# KiCad board PC110.kicad_pcb (continued)
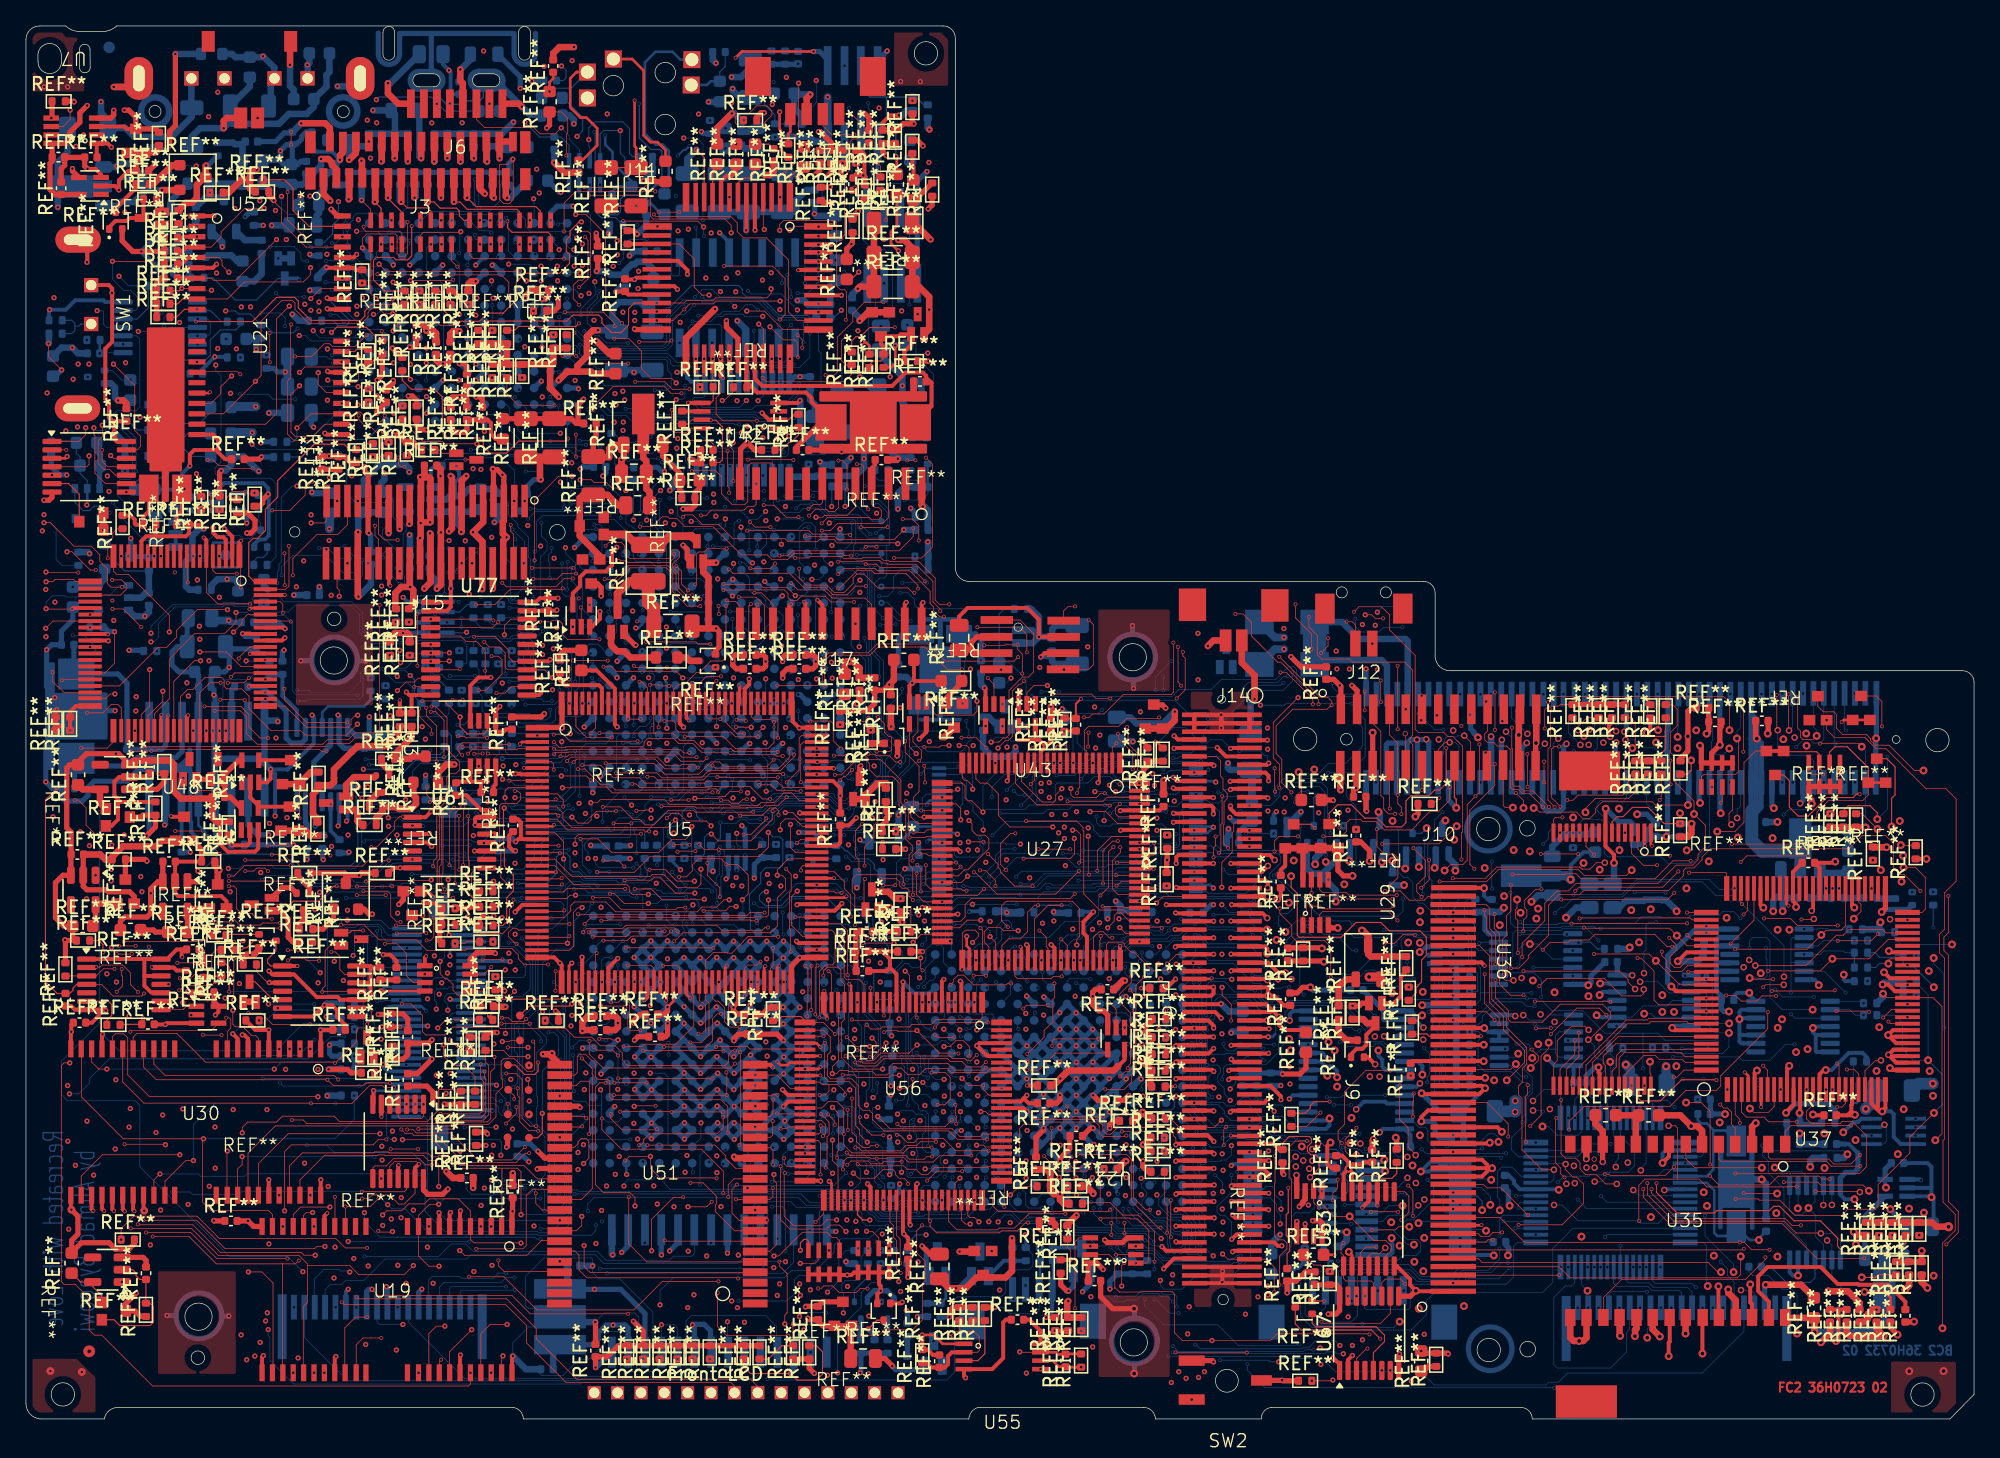
[diagram p0: board, top side]
## Routing (per net, layer and track width the routed paths; a pad name or vN(x,y) marks a point on that pad's centre or on a via; arc(x,y) is an arc through that point) (continued)
FDC_DSKCHG#: length 68.9
  FC2 w0.05: v2(77.75,51.8) 77.45,51.8 77.17,51.52 U27.15
  FC2 w0.2: v2(85.95,52.35) 86.37,51.93 REF**#301.2
  FC1 w0.05: v1(100.97,57.8) 99.57,57.8 99.26,58.11 89.03,58.11 86.39,55.47 86.39,52.79 v2(85.95,52.35) 85.53,52.77 84.77,52.77 84.54,52.54 83.73,52.54 83.09,53.18 82.51,53.18 81.89,52.56 81.33,52.56 80.09,51.32 78.23,51.32 v2(77.75,51.8)
  IC1 w0.05: v1(100.97,57.8) 101.62,57.15 101.62,56.3 102.47,55.45 127.07,55.45 128.65,53.87 v3(128.65,53.07)
  BC1 w0.05: v11(133.68,55.86) 133.68,54.5 132.92,53.74 129.32,53.74 v3(128.65,53.07)
FDC_DSR1B: length 122.8
  FC2 w0.05: v2(108.67,54.22) 108.67,54.58 J10.7 ; U27.78 87.42,37.9 v2(87.49,37.83) ; v2(91.63,44.89) 91.63,44.17 91.47,44.01 v2(91.47,43.28) ; v2(96.21,48.35) 96.18,48.38 v2(96.18,50.15) ; v2(148.07,40.31) 148.07,37.47 147.73,37.13 147.73,36.09 148.07,35.75 148.07,16.76 148.83,16 148.83,14.36 v2(147.92,13.45)
  FC1 w0.05: v2(96.21,48.35) 94.48,48.35 93.84,47.71 93.84,45.85 92.88,44.89 v2(91.63,44.89) ; v2(96.18,50.15) 96.18,53.79 97.56,55.17 98.22,55.17 98.68,55.63 99.93,55.63 100.15,55.41 103.6,55.41 104.98,54.03 107,54.03 107.22,54.25 108.64,54.25 v2(108.67,54.22) 108.88,54.01 112.58,54.01 113.25,54.68 116.26,54.68 116.88,54.06 118.01,54.06 118.37,54.42 139.81,54.42 142.47,51.76 142.47,50.13 143.07,49.53 143.07,45.49 143.8,44.76 146,44.76 148.07,42.69 v2(148.07,40.31) ; v2(91.47,43.28) 90.94,43.28 90.63,42.97 90.63,38.66 89.21,37.24 88.08,37.24 v2(87.49,37.83) ; v2(147.92,13.45) 147.9,13.43 144.51,13.43 v2(143.78,14.17)
FDC_DSR2#: length 71.9
  FC2 w0.05: v2(84.03,42.87) 84.06,42.9 U27.88 ; v1(80.62,45.37) 80.9,45.37 81.23,45.04 81.23,42.99 v2(81.11,42.87)
  FC1 w0.05: v2(84.03,42.87) v2(81.11,42.87)
  BC1 w0.05: v11(82.46,46.43) 82.25,46.43 82.12,46.3 81.55,46.3 v1(80.62,45.37) ; v11(88.58,45.08) 88.96,45.46 90.59,45.46 91.22,44.83 93.09,44.83 93.37,45.11 v11(93.98,45.11) ; v11(96.1,45.11) 98.49,45.11 99.43,46.05 103.79,46.05 104.82,45.02 105.78,45.02 107.22,43.58 109.9,43.58 111.68,41.8 114.23,41.8 115.23,42.8 115.23,43.99 115.55,44.31 116.86,44.31 v11(116.86,44.31)
  BC2 w0.05: v11(93.98,45.11) v11(96.1,45.11) ; v11(88.58,45.08) 88.24,45.42 87.95,45.42 87.52,45.85 83.68,45.85 83.52,45.69 82.73,45.69 82.46,45.96 v11(82.46,46.43) ; v11(116.86,44.31) 117.28,44.72 117.28,45.22 117.72,45.66 119.4,45.66 119.92,46.18 121.34,46.18 121.56,45.96 121.56,43.61 121.85,43.32 125.96,43.32 126.49,42.79 128.31,42.79 129.72,44.2 129.72,44.71 129.68,44.75 J8.84
FDC_DTR1#: length 100.7
  FC2 w0.05: v2(82.93,39.5) 84.53,39.5 84.63,39.4 U27.81
  FC2 w0.5: 146.02,11.13 146.02,10.54 v3(146.46,10.1)
  FC1 w0.05: v1(82.69,38.24) 82.69,38.77 82.93,39.01 v2(82.93,39.5)
  IC3 w0.05: v1(82.69,38.24) 82.69,38.72 83.42,39.45 84.61,39.45 85.47,40.31 94.62,40.31 95.07,39.86 96,39.86 96.71,39.15 96.74,39.15 96.87,39.02 98.4,39.02 99.44,37.98 100.26,37.98 101,37.24 104.29,37.24 105.18,38.13 106.22,38.13 106.88,38.79 109.33,38.79 111.99,36.13 120.46,36.13 122.6,38.27 130.49,38.27 130.5,38.26 130.56,38.26 130.92,38.62 v3(130.99,38.62)
  BC1 w0.05: v3(130.99,38.62) 134.49,35.12 135.55,35.12 136.27,34.4 136.27,30.39 135.79,29.91 135.79,28.1 136.05,27.84 ; v11(140.95,9.01) 145.37,9.01 v3(146.46,10.1) ; v5(138.73,13.76) 138.73,15.28 137.94,16.07 137.94,19.64 135.7,21.88 135.7,22.48 136.1,22.88 136.1,24.28 136.99,25.17 136.99,26.21 136.34,26.86 136.34,27.55 136.05,27.84 ; 136.05,27.84 136.06,27.83
  BC2 w0.05: v5(138.73,13.76) 139.1,13.39 REF**#859.9 139.1,10.86 v11(140.95,9.01)
FDC_DTR2#: length 52.2
  FC1 w0.05: v3(127.22,52.56) 127.15,52.63 125.29,52.63 124.75,52.09 124.75,51.54 124.31,51.1 121.89,51.1 120.82,50.03 109.43,50.03 109.04,49.64 100.66,49.64 100.37,49.35 97.13,49.35 96.64,49.84 91,49.84 90.66,50.18 86.46,50.18 86.33,50.05 86.33,48.58 86.24,48.49 86.24,44.87 v2(85.77,44.4)
  BC2 w0.05: v3(127.22,52.56) 127.22,53.2 127.28,53.26 J8.20
FDC_ERROR#: length 61.4
  FC2 w0.05: U27.73 83.22,36.56 83.41,36.75 84.48,36.75 84.62,36.61 84.62,36.47 85.11,35.98 85.33,35.98 86.73,34.58 88.01,34.58 v2(88.05,34.54)
  FC1 w0.05: v2(124.83,49.45) 123.71,48.33 123.71,48.04 v3(122.7,47.03) 121.64,45.97 118.95,45.97 118.67,46.25 118.67,47.17 118.3,47.54 109.5,47.54 109.31,47.35 104.89,47.35 104.69,47.15 104.69,46.62 103.98,45.91 100.81,45.91 100.63,45.73 100.63,42.58 100.03,41.98 100.03,37.75 97.49,35.21 94.16,35.21 93.13,36.24 90.91,36.24 90.24,35.57 89.63,35.57 88.98,34.92 88.98,34.89 88.62,34.54 v2(88.05,34.54)
  BC1 w0.05: v11(124.03,49.06) 123.26,49.06 122.7,48.5 v3(122.7,47.03)
  BC2 w0.05: 124.03,49.88 v11(124.03,49.06)
FDC_FDRQ: length 34.5
  FC2 w0.05: 55.86,55.15 55.86,54.13 56.09,53.9 57.27,53.9 57.38,54.01 57.81,54.01 57.92,53.9 v2(57.92,52.49) ; v2(68.31,40.4) 68.31,42.42 68.02,42.71 68.02,43.47 68.27,43.72 68.27,44.18 67.77,44.68 67.77,46.75 67.25,47.27 67.25,49.02 66.74,49.53 65.48,49.53 64.96,50.05 64.95,50.05 64.95,50.52 64.65,50.82 64,50.82 62.82,49.64 v2(62.3,49.64) ; 70.62,36.85 70.65,36.82 v2(71.18,36.82) 70.59,36.82 U27.50
  FC1 w0.05: v2(71.18,36.82) 71.18,40.09 70.86,40.41 69.56,40.41 69.42,40.27 68.76,40.27 68.63,40.4 v2(68.31,40.4) ; v2(62.3,49.64) 61.85,49.64 61.23,50.26 61.23,51.93 60.67,52.49 v2(57.92,52.49)
FDC_FINTR: length 12.9
  FC2 w0.05: v2(71.64,42.88) 71.61,42.85 U27.38 ; v2(66.01,41.12) 66.02,41.13 v2(66.96,41.13)
  FC2 w0.2: v2(63.2,40.28) 63.09,40.17 U5.82
  FC1 w0.05: v2(71.64,42.88) 71.3,42.88 69.98,41.56 67.39,41.56 v2(66.96,41.13) ; v2(63.2,40.28) 64.27,40.28 65.11,41.12 v2(66.01,41.12)
FDC_HDCS0#: length 98.1
  FC2 w0.05: U27.23 73.17,49.33 73.5,49 74.07,49 74.89,48.18 74.89,46.52 75.79,45.62 v1(79.09,45.62)
  IC1 w0.05: v3(142.75,30.19) 141.02,30.19 138.53,32.68 137.83,32.68 136.75,33.76 136.75,34.52 129.88,41.39 126.16,41.39 125.13,40.36 115.71,40.36 115.36,40.02 115.36,39.81 115.09,39.53 114.58,39.53 114.35,39.76 114.35,40.77 113.57,41.56 113.17,41.56 113.16,41.56 111.97,41.56 110.51,43.02 106.16,43.02 105.47,42.33 100.8,42.33 100.55,42.08 98.07,42.08 97.81,42.34 97.09,42.34 96.8,42.05 78.31,42.05 77.98,42.38 75,42.38 74.71,42.67 74.71,44.1 76.29,45.68 79.03,45.68 v1(79.09,45.62)
  BC1 w0.05: v11(141.54,32.04) 141.62,32.04 142.75,30.91 v3(142.75,30.19)
  BC2 w0.05: v11(141.54,32.04) 141.37,32.04 141.22,32.19 U40.1
FDC_HDCS1#: length 2
  FC2 w0.05: v1(71.88,51.9) 72.46,51.9 72.64,51.72 72.64,50.58 U27.24
FDC_HDSEL#: length 72.2
  FC2 w0.05: U27.9 80.17,51.86 v2(80.04,51.99) ; v2(88.38,59.83) 88.38,56 88.21,55.83 84.53,55.83 83.03,54.33 82.16,54.33 81.9,54.07 v2(81.5,54.07)
  FC1 w0.05: v2(88.38,59.83) 88.43,59.88 90.52,59.88 91.66,61.02 93.92,61.02 94.49,61.59 96.82,61.59 96.84,61.57 97.35,61.57 99.01,59.91 100.67,59.91 100.82,60.06 104.05,60.06 104.31,60.32 104.31,61.45 104.09,61.67 v1(104.09,62.17) ; v2(81.5,54.07) 81.5,52.96 80.53,51.99 v2(80.04,51.99)
  BC1 w0.05: v11(106.57,62.54) 106.57,56.78 106.76,56.59 133.75,56.59 v11(134.48,55.86)
  BC2 w0.05: v11(106.57,62.54) 106.5,62.61 104.53,62.61 v1(104.09,62.17)
FDC_IDED7: length 132.5
  FC2 w0.05: v3(141.95,17.58) 141.5,18.03 138.23,18.03 138.01,18.25 v2(135.4,18.25) ; v2(105.68,15.96) 105.67,15.97 v2(103.6,15.97) ; v2(86.58,16.11) 86.26,16.11 85.31,17.06 85.31,20.33 84.94,20.7 81.84,20.7 81.83,20.71 81.76,20.71 81.22,21.25 v2(80.94,21.25)
  FC1 w0.05: v3(134.91,12.51) 134.91,15.07 135.39,15.55 135.39,18.24 v2(135.4,18.25) 135.4,21.97 136.07,22.64 136.07,24.31 v2(137.15,25.39) ; 76.05,41.47 76.05,38.85 75.71,38.51 75.7,38.51 75.26,38.07 75.26,34.8 75.04,34.58 75.04,33.43 75.48,32.99 77.33,32.99 77.75,32.57 77.75,31.81 77.89,31.67 77.89,30.86 78.14,30.61 79.75,30.61 80.31,30.05 80.31,24.62 80.58,24.35 80.58,23.99 80.53,23.93 80.53,22.2 80.94,21.78 v2(80.94,21.25) ; 76.05,41.47 76.05,43.31 75.86,43.5 75.86,47.54 75.95,47.63 75.95,48.23 75.03,49.15 75.03,50.19 v2(74.67,50.55) ; 76.05,41.47 76.05,41.42 ; v2(105.68,15.96) 107.16,15.96 107.73,15.39 107.73,13.98 v3(107.7,13.95) v2(109.93,16.18) ; v2(103.6,15.97) 102.75,15.97 102.19,16.53 100.43,16.53 100.28,16.68 99.49,16.68 99.27,16.46 99.27,16.3 98.89,15.92 97.55,15.92 97.32,15.69 94.03,15.69 93.09,14.75 91.26,14.75 90.31,15.7 88.12,15.7 87.45,16.37 87.14,16.37 86.88,16.11 v2(86.58,16.11)
  IC1 w0.05: v3(107.7,13.95) 107.71,13.94 118.66,13.94 119.21,14.49 123.81,14.49 124.4,13.9 130.56,13.9 131.18,13.28 131.18,13.12 131.35,12.95 132.23,12.95 132.67,12.51 v3(134.91,12.51)
  BC1 w0.05: v3(141.95,17.58) 141.95,19.57 140.44,21.08 140.44,24.05 v16(140.94,24.55)
  BC2 w0.05: REF**#652.2 140.75,25.99 140.94,25.8 v16(140.94,24.55)
FDC_INDEX#: length 86
  FC2 w0.05: v2(100.29,60.17) 100.29,59.57 v2(99.75,59.03) ; v2(89.11,59.11) 89.11,58.8 89.29,58.62 89.29,56.19 v2(88.63,55.53)
  FC2 w0.2: v2(86.99,52.2) 87.07,52.2 REF**#388.2
  FC1 w0.05: v2(89.11,59.11) 90.1,59.11 90.39,58.82 94.18,58.82 96.74,61.38 97.2,61.38 97.52,61.06 97.52,60.52 99.01,59.03 v2(99.75,59.03) ; v2(100.29,60.17) 103.54,60.17 103.93,60.56 v1(103.93,61.16) ; v2(88.63,55.53) 87.59,55.53 86.99,54.93 v2(86.99,52.2) 86.99,51.91 86.47,51.39 84.14,51.39 83.4,52.13 82.48,52.13 82.4,52.21 81.65,52.21 80.98,51.54 80.98,50.21 80.77,50 79.8,50 79.67,50.13 v2(79.67,50.55)
  IC1 w0.05: v3(137.12,52.82) 137.12,55.22 136.5,55.84 104.51,55.84 103.61,56.74 103.61,58.47 103.93,58.79 v1(103.93,61.16)
  BC1 w0.05: v11(140.2,53.05) 139.88,53.37 137.67,53.37 v3(137.12,52.82)
  BC2 w0.05: J8.4 140.08,53.17 v11(140.2,53.05)
FDC_INIT#: length 63
  FC2 w0.05: v2(83.76,44.08) 83.37,43.69 83.37,40.96 v2(82.76,40.35) ; v2(82.78,37.22) 82.78,36.95 82.72,36.89 U27.72 ; v3(120.12,46.75) 120.12,47.05 120.89,47.82 123.44,47.82 123.97,48.35 REF**#130.1
  FC1 w0.05: v2(82.76,40.35) 82.76,39.84 82.42,39.5 82.04,39.5 81.81,39.27 81.81,38.75 81.66,38.6 81.66,37.48 81.92,37.22 v2(82.78,37.22) ; v1(83.92,48.33) 83.92,47.96 83.85,47.89 83.85,45.15 83.74,45.04 83.74,44.1 v2(83.76,44.08)
  IC2 w0.05: v3(120.12,46.75) 120.12,47.43 118.14,49.41 100.96,49.41 100,48.45 94.52,48.45 93.37,49.6 90.99,49.6 89.48,48.09 88.22,48.09 87.97,47.84 84.41,47.84 v1(83.92,48.33)
  BC1 w0.05: v3(120.12,46.75) 120.12,48.97 v11(120.03,49.06)
FDC_IOW#: length 17.7
  FC2 w0.05: U27.43 73.3,40.35 v2(73.8,40.85)
  FC1 w0.05: v2(73.8,40.85) 73.84,40.85 75,42.01 75,48.77 72.96,50.81 v1(72.96,51.89) 72.96,52.44 v2(73.91,53.39)
FDC_IRRX_RXD2: length 119
  FC2 w0.05: v3(115.9,27.04) 116.5,27.64 116.5,27.96 v2(115.99,28.47) ; U29.3 99.66,38.89 99.89,39.12 104.94,39.12 v2(105.64,38.42) ; v2(81.88,41.94) 81.82,42 v1(81.82,44.91) ; v2(83.98,41.9) U27.86
  FC1 w0.05: v2(81.88,41.94) 83.94,41.94 v2(83.98,41.9) ; v2(105.64,38.42) 105.64,33.35 106.19,32.8 106.79,32.8 107.38,33.39 110.01,33.39 113.3,30.1 114.38,30.1 115.99,28.49 v2(115.99,28.47)
  IC2 w0.05: v1(81.82,44.91) 82.45,44.91 82.72,44.64 100.3,44.64 101.83,46.17 v1(101.83,46.91)
  IC4 w0.05: v3(115.9,27.04) 115.48,26.62 115.44,26.62 115.43,26.61 114.62,26.61 113.91,27.32 113.91,35.61 115.7,37.4 115.7,39.35 115.45,39.6 115.45,40.54 115.13,40.86 113.11,40.86 112.56,40.31 105.65,40.31 103.68,42.28 99.12,42.28 98.79,42.61 98.79,43.36 101.83,46.4 v1(101.83,46.91)
  BC1 w0.05: v11(113.48,33.49) 110.75,33.49 110.5,33.24 110.5,32.6 111.1,32 111.1,30.35 110.8,30.05 110.8,29.51 110.96,29.35 114.36,29.35 v11(114.81,28.9) ; v11(80.45,39.59) 80.39,39.65 80.39,42.36 80.54,42.51 80.54,43.63 v1(81.82,44.91) 81.82,44.9
  BC2 w0.05: v3(115.9,27.04) 115.58,27.36 115.58,28.2 115.84,28.46 115.84,28.76 115.7,28.9 v11(114.81,28.9)
  BC2 w0.08: v11(80.45,39.59) 78.05,39.59 77.64,39.18 REF**#610.1
FDC_IRTX_TXD2: length 52
  FC2 w0.05: v2(105.33,39.55) 105.09,39.31 99.95,39.31 99.74,39.52 v2(98.99,39.52) 99.01,39.5 U29.2
  FC2 w0.2: U27.87 86.81,42.4 v2(86.85,42.36)
  FC1 w0.05: v3(116.34,38.56) 110.5,38.56 110.35,38.71 109.68,38.71 107.8,40.59 107.34,40.59 106.68,39.93 105.71,39.93 v2(105.33,39.55) 105.35,39.53 105.35,39.47 105.93,38.89 105.93,33.86 v2(106.51,33.28) ; v2(86.85,42.36) 87.49,43 87.49,43.67 88.19,44.37 90.35,44.37 90.51,44.21 92.1,44.21 92.38,43.93 92.38,42.65 94.05,40.98 94.05,40.08 94.54,39.59 95.87,39.59 96.37,39.09 98.56,39.09 v2(98.99,39.52)
  BC1 w0.05: v11(116.11,34.79) 116.11,35.53 116.34,35.76 v3(116.34,38.56)
  BC2 w0.05: v11(116.11,34.79) U28.5
FDC_MTR0#: length 64.6
  FC2 w0.05: v3(131.21,53.08) 131.21,55.22 130.75,55.68 117.69,55.68 v2(117.24,55.23)
  FC1 w0.05: v2(85.77,49) 85.77,49.09 85.42,49.44 85.42,49.81 86,50.39 89.41,50.39 91.69,52.67 93.85,52.67 97.32,56.14 99.71,56.14 100.2,55.65 104.53,55.65 105.21,54.97 112.64,54.97 113.06,55.39 113.76,55.39 113.86,55.49 116.54,55.49 116.8,55.23 v2(117.24,55.23)
  BC1 w0.05: v11(136.36,51.79) 134.36,51.79 133.76,52.39 133.76,52.62 133.51,52.87 133.28,52.87 133.07,53.08 v3(131.21,53.08)
  BC2 w0.05: J8.6 138.48,52.38 138.18,52.08 137.67,52.08 137.4,52.35 136.92,52.35 v11(136.36,51.79)
FDC_MTR2#_PDACK: length 64.5
  FC2 w0.05: v2(62.56,65.11) 63,65.55 65.4,65.55 65.59,65.36 68.07,65.36 69.64,63.79 69.64,62.84 69.91,62.57 69.91,62.29 70.38,61.82 v2(70.7,61.82) ; v2(77.09,59.08) 77.09,60.45 76.53,61.01 v2(73.28,61.01) ; v2(81.84,52.9) 81.81,52.87 v2(81.81,51.81) ; v1(81.96,46.8) 83.17,46.8 84.07,45.9 U27.94 ; 52.86,55.15 52.86,56.56 v2(53.18,56.88)
  FC1 w0.05: v2(81.81,51.81) 81.5,51.5 81.5,47.92 81.96,47.46 v1(81.96,46.8) ; v2(70.7,61.82) 72.47,61.82 v2(73.28,61.01) ; v2(53.18,56.88) 53.18,57.6 53.4,57.82 53.4,58.81 55.56,60.97 62.08,60.97 62.25,61.14 62.25,64.4 62.56,64.71 v2(62.56,65.11) ; v2(81.84,52.9) 81.78,52.96 81.78,55.3 81.57,55.51 81.57,57.64 79.99,59.22 77.66,59.22 77.52,59.08 v2(77.09,59.08)
  BC1 w0.05: v1(81.96,46.8) 81.96,47.4 81.7,47.66 81.7,50.08 80.79,50.99 v11(80.23,50.99)
  BC2 w0.08: REF**#462.1 80.12,51.1 v11(80.23,50.99)
FDC_MTR3#_PDRQ: length 44.7
  FC2 w0.05: v2(84.1,52.8) 84.15,52.75 84.15,52.45 85.25,51.35 v2(85.25,50.07) ; v2(57.88,56.52) 60.98,56.52 61.33,56.87 61.33,58.54 61.83,59.04 64.87,59.04 65.55,59.72 69.48,59.72 70.8,58.4 76.11,58.4 v2(76.42,58.71)
  FC2 w0.25: 54.96,55.17 54.96,56.49 v2(54.92,56.53)
  FC1 w0.05: v2(84.1,52.8) 83.08,53.82 83.08,55.19 82.21,56.06 82.21,57.63 80.37,59.47 77.04,59.47 76.42,58.85 v2(76.42,58.71) ; v2(54.92,56.53) 57.87,56.53 v2(57.88,56.52)
  FC1 w0.2: v2(85.25,50.07) 85.05,49.87 85.05,48.12 v2(85.77,47.4)
FDC_PD0: length 63.6
  FC2 w0.05: v2(103.12,56.06) v2(103.12,54.61) ; v2(84.1,44.53) 83.69,44.53 82.96,43.8 v2(82.96,41.27)
  FC1 w0.05: v2(81.22,35.35) 81.41,35.54 81.41,36.99 81.28,37.12 81.28,38.81 81.44,38.97 81.44,39.75 v2(82.96,41.27) ; v2(103.12,56.06) 103.03,56.16 100.42,56.16 100.03,56.55 94.55,56.55 94.02,56.02 94.02,55.16 92.76,53.9 91.92,53.9 88.81,50.79 85.2,50.79 84.65,50.24 84.65,47.32 84.78,47.19 84.78,45.01 84.3,44.53 v2(84.1,44.53) ; v5(119.73,51.95) 119.73,51.27 119.53,51.07 116.53,51.07 116.34,50.88 115.26,50.88 115.09,51.05 112.13,51.05 111.92,51.26 107,51.26 103.65,54.61 v2(103.12,54.61)
  BC2 w0.05: v5(119.73,51.95) 118.8,52.88 118.8,53.62 119.28,54.1 J8.30
FDC_PD1: length 64.3
  FC1 w0.05: v2(80.72,35.35) 81.34,34.73 86.34,34.73 86.66,35.05 v1(87.22,35.05)
  IC3 w0.05: v1(87.22,35.05) 87.81,35.64 88.89,35.64 89.52,36.27 94.27,36.27 94.52,36.52 95.8,36.52 96.24,36.08 97.7,36.08 99,34.78 102.74,34.78 103.01,35.05 104.98,35.05 105.38,34.65 112.94,34.65 114.22,33.37 115.65,33.37 v3(116.07,33.79)
  BC1 w0.05: v11(120.08,55.86) 119.97,55.86 117.47,53.36 117.47,46.94 119.72,44.69 119.72,43.64 117.33,41.25 117.33,34.05 117.07,33.79 v3(116.07,33.79)
FDC_PD2: length 75.7
  FC2 w0.05: v2(79.73,36.97) 80.22,36.48 U27.67
  FC1 w0.05: v2(79.73,36.97) 79.73,39.19 78.87,40.05 78.87,42.93 78.74,43.06 78.74,45.25 78.59,45.4 78.59,45.85 78.82,46.08 79.51,46.08 v1(79.98,45.61)
  IC2 w0.05: v5(120,52.58) 120.62,52.58 120.96,52.24 120.96,50.29 120.48,49.81 100.58,49.81 99.67,48.9 96.74,48.9 96.36,49.28 96.36,53.55 96.09,53.82 95,53.82 93.52,52.34 91.39,52.34 89.76,50.71 78.59,50.71 77.65,49.77 77.65,46.87 78.57,45.95 79.64,45.95 v1(79.98,45.61)
  BC2 w0.05: J8.28 120.83,52.82 120.64,52.63 120.05,52.63 v5(120,52.58)
FDC_PD3: length 64.8
  FC1 w0.05: v2(79.72,35.35) 79.72,35 80.42,34.3 82.6,34.3 82.83,34.53 84.08,34.53 84.22,34.39 84.22,32.49 84.59,32.12 86.33,32.12 87.2,32.99 87.88,32.99 88.18,33.29 89.46,33.29 90.15,33.98 90.15,34.81 90.68,35.34 93.37,35.34 93.73,34.98 97.6,34.98 100.37,37.75 100.37,40.47 101.1,41.2 v3(101.54,41.2)
  IC3 w0.05: v3(101.54,41.2) 101.6,41.26 102.37,41.26 102.72,41.61 115.89,41.61 116.61,42.33 v3(121.22,42.33)
  BC1 w0.05: v11(121.68,55.86) 121.08,55.27 121.08,42.47 v3(121.22,42.33)
FDC_PD4: length 72.2
  FC2 w0.05: v2(78.06,37.64) 78.58,37.12 78.58,36.39 78.72,36.26 U27.64 ; v2(80.44,43.9) 80.43,43.91 v2(77.99,43.91)
  FC1 w0.05: v2(80.44,43.9) 80.93,43.9 81.44,44.41 81.44,45.89 81.68,46.13 81.91,46.13 82.47,46.69 82.47,47.31 81.74,48.04 81.74,51.05 v1(82.39,51.7) ; v2(77.99,43.91) 77.99,42.62 78.26,42.35 78.26,39.39 77.69,38.82 77.69,38.01 v2(78.06,37.64)
  IC3 w0.05: v5(122.48,53) 122.4,53.08 121.68,53.08 121.03,52.43 121.03,51.54 120.55,51.06 119.66,51.06 119.09,51.63 119.09,52.37 118.2,53.26 114.82,53.26 114.5,52.94 114.5,50.28 113.12,48.9 103.23,48.9 103.03,49.1 101.07,49.1 100.41,48.44 94.6,48.44 93.41,49.63 91.47,49.63 89.81,51.29 88.11,51.29 87.66,51.74 82.43,51.74 v1(82.39,51.7)
  BC2 w0.05: v5(122.48,53) J8.26
FDC_PD5: length 75.9
  FC1 w0.05: v1(78.82,47.89) 78.38,47.45 78.38,44.94 78.5,44.82 78.5,42.73 78.64,42.59 78.64,37.69 78.22,37.27 v2(78.22,35.35)
  IC4 w0.05: v5(123.12,52.96) 123.12,53.43 122.63,53.92 107.52,53.92 105.72,55.72 105.72,58.32 104.38,59.66 102.2,59.66 100.12,61.74 85.05,61.74 80.28,56.97 80.28,50.25 79.32,49.29 79.32,48.39 v1(78.82,47.89)
  BC2 w0.4: J8.25 123.28,53.12 v5(123.12,52.96)
FDC_PD6: length 66.3
  FC2 w0.05: U27.62 77.67,35.4 77.67,38.52 78.74,39.59 v2(79.77,39.59)
  FC1 w0.05: v2(79.77,39.59) 79.78,39.6 79.78,41.76 79.12,42.42 79.12,44.75 v1(79.54,45.17)
  IC2 w0.05: v3(122.74,43.84) 122.74,44.44 122.27,44.91 120.51,44.91 118.85,43.25 109.11,43.25 108.13,44.23 79.29,44.23 79.19,44.33 79.19,44.76 79.54,45.11 v1(79.54,45.17)
  BC2 w0.05: v3(122.74,43.84) 122.74,45.17 121.01,46.9 121.01,47.39 121.29,47.67 122.55,47.67 122.67,47.55 122.98,47.55 123.28,47.85 J8.76
FDC_PD7: length 71
  FC2 w0.3: U27.61 77.17,36.45 v1(77.08,36.54)
  IC3 w0.05: v1(77.08,36.54) 77.08,36.07 77.15,36 77.89,36 77.91,36.02 88.88,36.02 89.33,36.47 93.68,36.47 94.3,37.09 95.58,37.09 96.19,36.48 98.71,36.48 99.38,35.81 102.31,35.81 102.75,35.37 105.14,35.37 105.38,35.13 109.29,35.13 109.51,34.91 122.63,34.91 123.2,35.48 123.92,35.48 124.25,35.81 v3(124.25,36.73)
  BC1 w0.05: v11(124.08,55.86) 124.08,52.67 124.54,52.21 124.54,37.02 v3(124.25,36.73)
FDC_PE: length 91.3
  FC2 w0.05: v1(80.94,36.53) 80.94,36.96 81.13,37.15 81.13,39.36 80.59,39.9 75.51,39.9 75.14,39.53 75.14,38.4 v2(75.63,37.91) ; REF**#89.1 125.95,47.81 v2(125.83,47.69)
  FC1 w0.05: v2(75.67,35.35) 75.63,35.39 v2(75.63,37.91) ; v3(127.4,46.68) 126.84,46.68 v2(125.83,47.69)
  IC2 w0.05: v3(127.4,46.68) 127.4,45.7 127.14,45.44 127.14,43.19 131.93,38.4 131.93,36.17 v5(132.73,35.37)
  IC3 w0.05: v5(132.73,35.37) 127.93,35.37 126.12,37.18 123.3,37.18 121.25,35.13 109.81,35.13 109.59,35.35 105.54,35.35 104.75,36.14 100.54,36.14 99.97,36.71 99.95,36.71 99.81,36.85 98.39,36.85 97.28,37.96 96.46,37.96 95.81,37.31 94.84,37.31 94.61,37.54 90.99,37.54 90.39,36.94 87.06,36.94 86.82,36.7 81.68,36.7 81.51,36.53 v1(80.94,36.53)
  BC1 w0.05: v3(127.4,46.68) 126.71,46.68 126.41,46.98 v11(125.9,46.98)
  BC2 w0.05: J8.78 124.83,47.42 125.27,46.98 v11(125.9,46.98)
FDC_RDATA#: length 113.1
  FC2 w0.05: U27.14 77.67,49.2 v2(77.39,48.92)
  FC1 w0.05: v1(76.6,44.3) 76.98,44.3 77.39,44.71 v2(77.39,48.92)
  IC4 w0.05: v3(131.86,44.81) 131.72,44.81 130.87,45.66 130.87,45.96 132.06,47.15 132.06,51.59 128.61,55.04 107.31,55.04 106.39,55.96 106.39,58.69 104.72,60.36 102.03,60.36 100.43,61.96 76.13,61.96 73.67,59.5 73.67,57.22 73.1,56.65 73.1,56.04 73.82,55.32 73.82,51.68 76.2,49.3 76.2,44.7 v1(76.6,44.3)
  BC1 w0.05: v11(73.79,44.39) 73.79,43.62 73.03,42.86 73.03,40.83 72.49,40.29 72.49,39.23 v11(72.64,39.08) ; v11(135.28,49.06) 135.36,48.98 135.36,47.12 133.05,44.81 v3(131.86,44.81)
  BC2 w0.05: v1(76.6,44.3) 75.5,44.3 75.41,44.39 v11(73.79,44.39)
  BC2 w0.3: REF**#673.2 72.68,39.12 v11(72.64,39.08)
FDC_RI1#: length 187.5
  FC2 w0.05: v5(124.63,34.35) 124.65,34.35 ; J10.9 111.23,54.59 v2(111.23,54.28) ; v2(104.37,55.24) 104.35,55.26 v2(104.35,56.91) ; v2(132.28,51.42) 132.28,55.36 v2(132.27,55.37)
  FC2 w0.2: U27.84 86.85,40.9 v2(86.94,40.81)
  FC2 w0.5: v3(140.78,14.42) 141.04,14.17 141.74,14.17
  FC1 w0.05: v2(132.28,51.42) 133.83,49.87 133.83,44.82 138.72,39.93 138.72,32.74 140.41,31.05 140.41,28.56 140.61,28.36 140.61,24.72 140.17,24.28 140.17,22.54 140.45,22.26 140.45,21.08 140.84,20.69 140.84,17.74 140.4,17.3 140.4,14.8 v3(140.78,14.42) ; 132.25,55.37 118.98,55.37 118.22,54.61 118.12,54.61 117.79,54.28 116.94,54.28 116.36,54.86 113.12,54.86 112.54,54.28 v2(111.23,54.28) 110.85,54.28 110.58,54.55 107.13,54.55 106.82,54.24 105.37,54.24 v2(104.37,55.24) ; v2(86.94,40.81) 86.33,40.2 86.33,39.26 85.61,38.54 v1(84.19,38.54) 83.88,38.23 83.88,37.68 83.32,37.12 83.32,35.19 83.63,34.88 84.84,34.88 85.38,35.42 86.56,35.42 86.6,35.46 89.19,35.46 90.14,36.41 94.5,36.41 95.01,36.92 v3(96.32,36.92) ; v2(104.35,56.91) 104.34,56.92 102.47,56.92 102.36,57.03 91.7,57.03 89.89,55.22 89.89,52.46 88.44,51.01 85.08,51.01 84.42,50.35 84.42,49.67 84.08,49.33 83.34,49.33 83.02,49.01 83.02,48.71 82.75,48.44 82.75,47.11 83.47,46.39 83.47,45.61 83.24,45.38 83.24,43.47 83.53,43.18 84.62,43.18 85.77,42.03 v2(85.77,39.9)
  IC1 w0.05: v5(124.63,34.35) 124.25,34.35 123.92,34.68 99.09,34.68 97.46,36.31 96.99,36.31 96.38,36.92 v3(96.32,36.92)
  BC1 w0.05: v11(127.23,49.06) 125.56,47.39 v11(125.56,38.28)
  BC2 w0.05: v11(125.56,38.28) 125.01,38.28 124.78,38.05 124.78,36.16 124.63,36.01 v5(124.63,34.35) ; v1(84.19,38.54) 86.59,38.54 86.73,38.68 REF**#812.1
FDC_RTS1#: length 95.4
  FC2 w0.05: U27.79 84.96,38.4 84.37,38.99 84.01,38.99 83.82,38.8 83.82,38.35 v1(83.32,37.85)
  FC2 w0.5: v3(144.75,9.97) 145.05,10.27 145.05,11.13
  IC3 w0.05: v3(135.83,37.7) 135.3,37.17 132.52,37.17 132,37.69 123.1,37.69 120.95,35.54 111.5,35.54 109.6,37.44 107.49,37.44 107.35,37.3 105.43,37.3 104.73,36.6 100.66,36.6 99.99,37.27 98.81,37.27 98.52,37.56 98.48,37.56 97.66,38.38 96.57,38.38 95.75,39.2 95.17,39.2 94.83,38.86 89.79,38.86 89.14,38.21 88.33,38.21 87.94,37.82 86.37,37.82 86.04,37.49 83.66,37.49 83.58,37.57 83.58,37.59 v1(83.32,37.85)
  IC4 w0.05: v3(135.83,37.7) 136.86,36.67 136.86,27.77 137.15,27.48 137.15,21.51 137.16,21.5 137.16,20.94 136.96,20.74 136.96,18 138.44,16.52 v5(138.44,16.48) 138.44,15.2 143.67,9.97 v3(144.75,9.97)
  BC2 w0.05: REF**#859.5 138.45,16.49 v5(138.44,16.48)
FDC_RTS2#: length 51.9
  FC2 w0.05: U27.89 86.81,43.4 86.9,43.49 v2(86.9,44.39)
  FC1 w0.05: v3(128.95,47.47) 128.95,47.51 126.42,50.04 121.22,50.04 121,49.82 109.62,49.82 109.26,49.46 100.89,49.46 100.59,49.16 96.97,49.16 96.47,49.66 91.1,49.66 89.6,48.16 87.32,48.16 86.44,47.28 86.44,44.88 86.9,44.42 v2(86.9,44.39)
  BC2 w0.4: J8.83 128.88,47.54 v3(128.95,47.47)
FDC_RXD1: length 104.9
  FC2 w0.05: J10.4 105.03,52.71 105.66,52.08 v2(105.66,48.08) 105.66,47.43 105.94,47.15 v2(105.94,46.61) ; v2(139.44,31.43) 141.9,31.43 v2(141.96,31.37) ; v2(114.5,41.96) 118.54,41.96 118.62,42.04 119.37,42.04 119.78,41.63 125.48,41.63 126.86,43.01 v2(128.22,43.01)
  FC1 w0.05: v2(145.83,14.17) 145.63,14.37 145.63,17.38 142.57,20.44 142.57,22.73 142.44,22.86 142.44,24.49 142.14,24.79 142.13,24.79 142,24.92 142,31.33 v2(141.96,31.37) ; v2(128.22,43.01) 128.82,43.01 129.29,43.48 133.51,43.48 137.08,39.91 137.08,33.79 v2(139.44,31.43) ; v2(85.77,36.8) 86.11,36.8 86.15,36.84 89.51,36.84 90.39,37.72 93.74,37.72 95.07,39.05 95.9,39.05 96.28,38.67 98.95,38.67 99.46,39.18 99.46,41.26 98.47,42.25 98.47,45.69 98.91,46.13 99.99,46.13 101.94,48.08 v2(105.66,48.08) ; v2(105.94,46.61) 105.94,46.6 108.89,43.65 111.01,43.65 111.57,43.09 113.37,43.09 v2(114.5,41.96)
FDC_SLCT: length 77.7
  FC2 w0.05: U27.57 75.17,36.48 75.69,37 76.6,37 77.16,37.56 77.16,39.06 77.69,39.59 v2(77.96,39.59) ; v3(125.71,53.08) 125.71,54.54 125.2,55.05 REF**#399.2
  FC1 w0.05: v2(77.96,39.59) 77.98,39.61 77.98,42.16 77.69,42.45 77.69,48.48 v1(78.19,48.98)
  IC2 w0.05: v3(125.71,53.08) 125.71,53 124.38,51.67 124.38,51.47 123.18,50.27 122.22,50.27 121.53,49.58 100.73,49.58 99.87,48.72 96.45,48.72 96.16,49.01 96.16,53.37 95.87,53.66 95.28,53.66 93.77,52.15 91.56,52.15 89.92,50.51 78.95,50.51 78.19,49.75 v1(78.19,48.98)
  BC2 w0.05: v3(125.71,53.08) 124.88,53.91 J8.23
FDC_SLCTIN#: length 63.3
  FC2 w0.05: v2(123.13,49.44) 123.13,51.1 v3(123.73,51.7) 123.95,51.92 123.95,53.71 123.62,54.04 REF**#49.1 ; v2(83.68,37.08) 83.46,37.08 83,37.54 82.65,37.54 82.22,37.11 U27.71
  FC1 w0.05: v2(123.13,49.44) 123.1,49.47 109.84,49.47 109.46,49.09 101.26,49.09 99.11,46.94 99.11,46.64 98.28,45.81 98.28,42.02 99.23,41.07 99.23,39.31 98.84,38.92 96.31,38.92 95.8,39.43 95.12,39.43 93.61,37.92 90.23,37.92 89.34,37.03 86.3,37.03 86.25,37.08 v2(83.68,37.08)
  BC1 w0.05: v3(123.73,51.7) 123.35,51.7 121.63,49.98 v11(121.63,49.06)
FDC_STEP#: length 75.1
  FC2 w0.05: v2(87.29,54.06) 87.22,53.99 84.79,53.99 84.18,53.38 81.85,53.38 81.54,53.07 81.54,51.61 81.67,51.48 U27.6 ; v5(134.93,53.08) 134.86,53.15 v2(134.86,55.79) ; v2(88.72,59.49) 88.74,59.47 88.74,56.78 88.97,56.55 v2(88.97,56.5)
  FC1 w0.05: v2(88.97,56.5) 89.2,56.27 89.2,54.46 88.57,53.83 87.54,53.83 87.31,54.06 v2(87.29,54.06) ; v2(134.86,55.79) 134.84,55.81 134.11,55.81 134.05,55.87 113.57,55.87 113.45,55.75 112.84,55.75 112.8,55.79 109.17,55.79 108.88,55.5 106.64,55.5 105.93,56.21 105.93,57.4 104.83,58.5 98.89,58.5 97.57,59.82 95.71,59.82 94.39,58.5 89.29,58.5 88.72,59.07 v2(88.72,59.49)